# Allegro board FMDEMOD-before-back-annote.brd (continued)
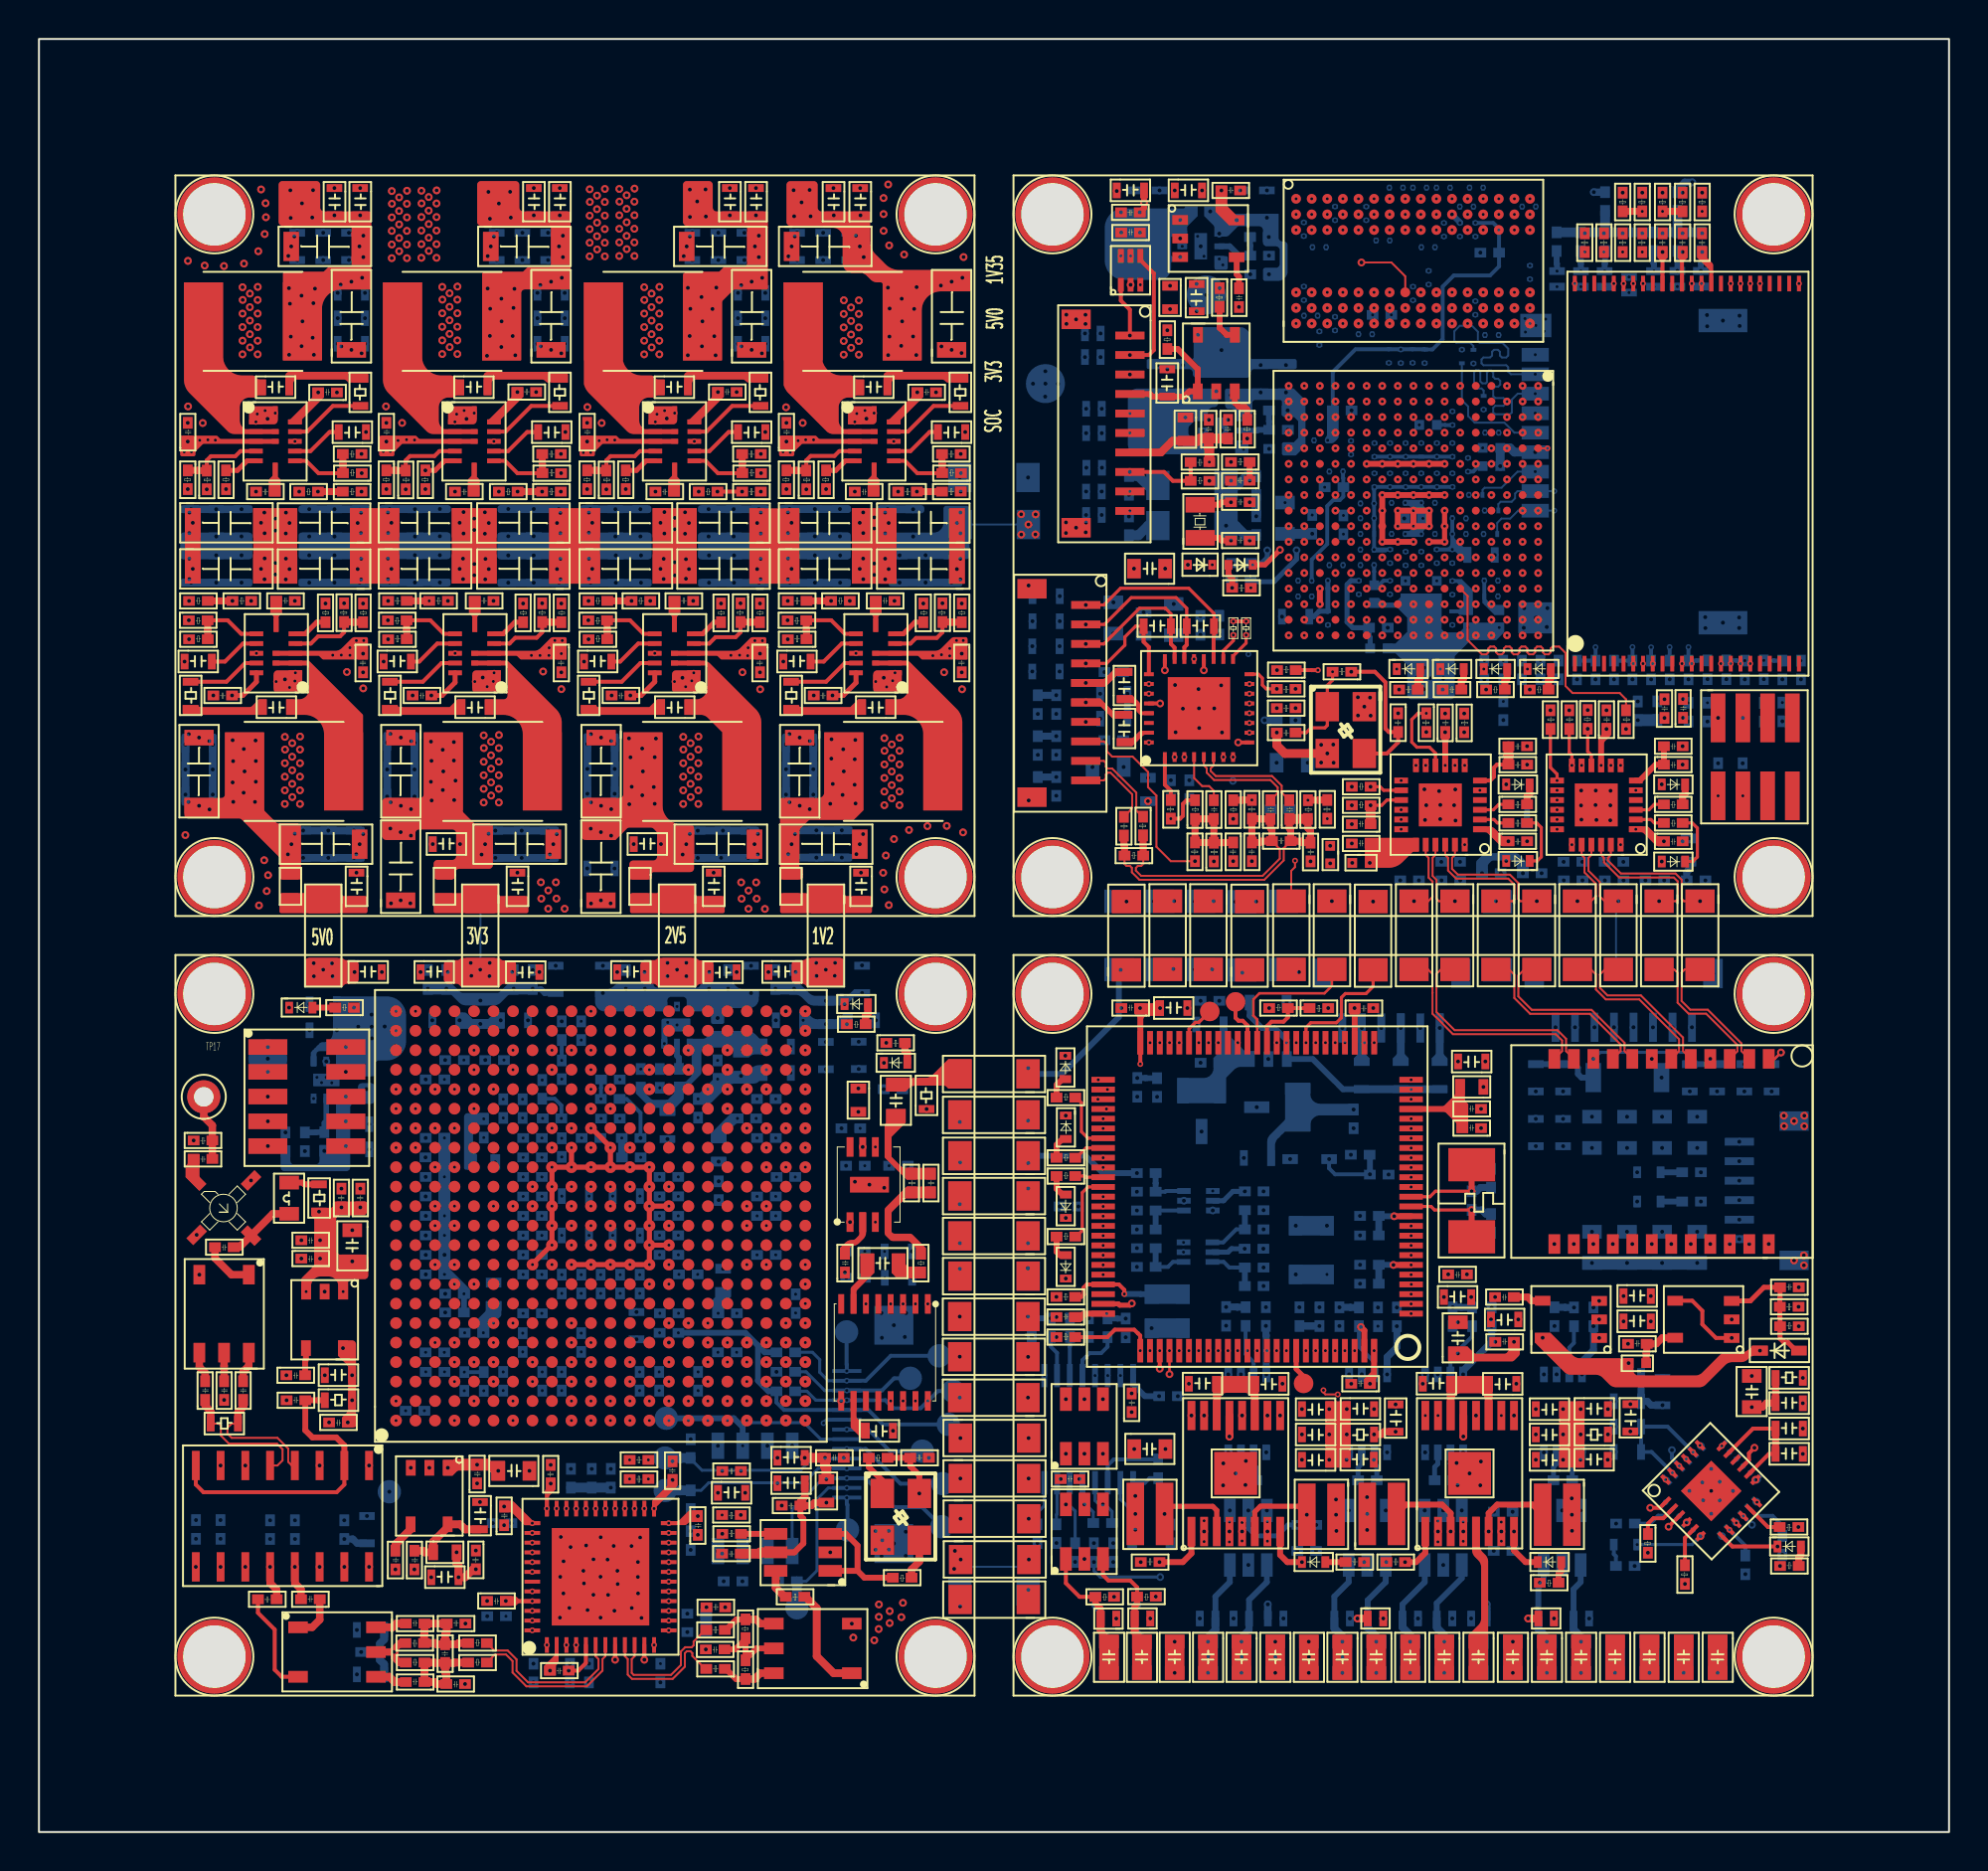
[diagram p0: board, top side]
## Placement (name value [footprint] x y rotation side) (continued)
NOREF#297  -  []  73.58 48.8 90 top
NOREF#298  -  []  58.98 68.29 0 top
NOREF#299  -  []  27.17 23.15 90 top
NOREF#300  -  []  73.8 74.74 0 top
NOREF#301  -  []  25.29 23.15 0 top
NOREF#302  -  []  70.98 7.97 90 top
NOREF#303  -  []  39.14 44.41 90 top
NOREF#304  -  []  75 65.91 90 top
NOREF#305  -  []  35.39 61.61 90 top
NOREF#306  -  []  56.26 50.68 90 top
NOREF#307  -  []  30.5 44.41 90 top
NOREF#308  -  []  17.77 55.48 0 top
NOREF#309  -  []  76.06 13.26 90 top
NOREF#310  -  []  65.78 7.97 90 top
NOREF#311  -  []  10.37 57.93 90 top
NOREF#312  -  []  39.4 64 0 top
NOREF#313  -  []  70.86 9.66 0 top
NOREF#314  -  []  48.4 69.19 90 top
NOREF#315  -  []  76.65 58.68 90 top
NOREF#316  -  []  58.2 17.1 0 top
NOREF#317  -  []  15.22 76.2 90 top
NOREF#318  -  []  7.42 54.41 90 top
NOREF#319  -  []  57.42 42.69 0 top
NOREF#320  -  []  36.63 55.39 90 top
NOREF#321  -  []  37.98 32.22 0 top
NOREF#322  -  []  57.75 32.64 90 top
NOREF#323  -  []  65.21 77.54 90 top
NOREF#324  -  []  69.07 9.66 0 top
NOREF#325  -  []  45.97 61.62 0 top
NOREF#326  -  []  57.67 12.68 0 top
NOREF#327  -  []  40.65 78.96 90 top
NOREF#328  -  []  54.59 14.36 0 top
NOREF#329  -  []  31.99 27.18 90 top
NOREF#330  -  []  89.55 25.16 90 top
NOREF#331  -  []  80.59 18.7 90 top
NOREF#332  -  []  80.3 38.15 0 top
NOREF#333  -  []  37.79 18.31 0 top
NOREF#334  -  []  23.36 39.08 90 top
NOREF#335  -  []  36.5 8.35 0 top
NOREF#336  -  []  80.42 58.68 90 top
NOREF#337  -  []  37.5 68.39 90 top
NOREF#338  -  []  70.12 64.84 90 top
NOREF#339  -  []  56.13 17.92 90 top
NOREF#340  -  []  58.9 7.97 90 top
NOREF#341  -  []  19.44 68.44 90 top
NOREF#342  -  []  76.03 58.23 0 top
NOREF#343  -  []  41.96 49.88 90 top
NOREF#344  -  []  16.74 32.55 0 top
NOREF#345  -  []  62.59 82.73 0 top
NOREF#346  -  []  35.5 25.9 90 top
NOREF#347  -  []  17.04 35.43 0 top
NOREF#348  -  []  20.3 24.08 90 top
NOREF#349  -  []  81.87 82.69 0 top
NOREF#350  -  []  78.72 80.66 0 top
NOREF#351  -  []  23.67 65.6 90 top
NOREF#352  -  []  83.76 79.2 0 top
NOREF#353  -  []  54.12 24.3 0 top
NOREF#354  -  []  57.75 31.68 90 top
NOREF#355  -  []  62.64 64.72 90 top
NOREF#356  -  []  15.91 13.94 0 top
NOREF#357  -  []  53.15 24.3 0 top
NOREF#358  -  []  25.37 69.33 90 top
NOREF#359  -  []  25.17 50.67 0 top
NOREF#360  -  []  13.03 70.91 0 top
NOREF#361  -  []  16.2 66.36 90 top
NOREF#362  -  []  46.87 74.67 0 top
NOREF#363  -  []  89.06 60.56 0 top
NOREF#364  -  []  37.27 10.36 90 top
NOREF#365  -  []  19.37 52.72 90 top
NOREF#366  -  []  9.5 66.37 90 top
NOREF#367  -  []  70.77 72.94 0 top
NOREF#368  -  []  17.49 49.32 90 top
NOREF#369  -  []  89 21.11 0 top
NOREF#370  -  []  74.74 58.68 90 top
NOREF#371  -  []  36.47 13.89 90 top
NOREF#372  -  []  19.27 21.09 90 top
NOREF#373  -  []  67.9 22.1 90 top
NOREF#374  -  []  14.44 51.48 90 top
NOREF#375  -  []  45.8 49.3 0 top
NOREF#376  -  []  62.66 42.67 0 top
NOREF#377  -  []  54.35 56.73 90 top
NOREF#378  -  []  67.7 35.01 0 top
NOREF#379  -  []  57.63 77.94 0 top
NOREF#380  -  []  42.03 74.54 0 top
NOREF#381  -  []  27.73 61.78 0 top
NOREF#382  -  []  85.8 18.7 0 top
NOREF#383  -  []  86 58.69 90 top
NOREF#384  -  []  34.75 14.42 90 top
NOREF#385  -  []  65.71 51.53 90 top
NOREF#386  -  []  12.5 50.12 0 top
NOREF#387  -  []  14.28 64.77 0 top
NOREF#388  -  []  18.88 64.01 0 top
NOREF#389  -  []  24.98 64 0 top
NOREF#390  -  []  68.07 26.46 90 top
NOREF#391  -  []  29.95 26.54 90 top
NOREF#392  -  []  26.26 25.44 90 top
NOREF#393  -  []  55.87 29.75 0 top
NOREF#394  -  []  60.35 33.23 90 top
NOREF#395  -  []  77.78 48.44 90 top
NOREF#396  -  []  51.75 37.29 90 top
NOREF#397  -  []  39.73 11.68 90 top
NOREF#398  -  []  25.65 34.18 0 top
NOREF#399  -  []  37.98 31.22 0 top
NOREF#400  -  []  26.44 55.42 90 top
NOREF#401  -  []  83.94 80.61 0 top
NOREF#402  -  []  27.73 72.76 0 top
NOREF#403  -  []  24.75 42.81 90 top
NOREF#404  -  []  81.04 58.02 0 top
NOREF#405  -  []  13.39 14.95 0 top
NOREF#406  -  []  19.44 68.44 90 top
NOREF#407  -  []  72.61 9.66 0 top
NOREF#408  -  []  73.58 48.8 0 top
NOREF#409  -  []  15.57 82.85 90 top
NOREF#410  -  []  23.67 67.98 90 top
NOREF#411  -  []  15.5 82.16 0 top
NOREF#412  -  []  60.2 52.49 90 top
NOREF#413  -  []  40.04 39.15 0 top
NOREF#414  -  []  31.8 74.54 0 top
NOREF#415  -  []  57.08 82.73 90 top
NOREF#416  -  []  31.17 43.72 90 top
NOREF#417  -  []  38.93 43.72 90 top
NOREF#418  -  []  78.99 19.51 0 top
NOREF#419  -  []  35.63 69.33 90 top
NOREF#420  -  []  73.9 77.24 0 top
NOREF#421  -  []  77.3 80.06 90 top
NOREF#422  -  []  18.62 32.55 90 top
NOREF#423  -  []  51.64 52.71 90 top
NOREF#424  -  []  58.3 13.72 0 top
NOREF#425  -  []  55.38 9.66 0 top
NOREF#426  -  []  87.02 13.73 0 top
NOREF#427  -  []  58.95 64.6 90 top
NOREF#428  -  []  72.36 74.76 90 top
NOREF#429  -  []  62.85 66.09 90 top
NOREF#430  -  []  67.84 83.09 0 top
NOREF#431  -  []  14.25 37.97 0 top
NOREF#432  -  []  38.97 75.96 90 top
NOREF#433  -  []  71.76 57.85 0 top
NOREF#434  -  []  25.87 17.42 90 top
NOREF#435  -  []  16.74 68.55 0 top
NOREF#436  -  []  73.31 65.5 90 top
NOREF#437  -  []  8.57 29.62 0 top
NOREF#438  -  []  80.73 17.66 90 top
NOREF#439  -  []  40 19.1 0 top
NOREF#440  -  []  66.16 77.99 90 top
NOREF#441  -  []  45.08 64.01 90 top
NOREF#442  -  []  10.8 66.37 90 top
NOREF#443  -  []  78.92 80.61 90 top
NOREF#444  -  []  58.86 12.26 0 top
NOREF#445  -  []  51.19 24.3 0 top
NOREF#446  -  []  80.81 56.14 90 top
NOREF#447  -  []  9.02 55.39 90 top
NOREF#448  -  []  73.06 38.01 90 top
NOREF#449  -  []  20.16 69.58 0 top
NOREF#450  -  []  39.21 27.77 90 top
NOREF#451  -  []  40.72 36.5 0 top
NOREF#452  -  []  21.52 74.54 0 top
NOREF#453  -  []  37.95 61.78 0 top
NOREF#454  -  []  8.2 59.07 0 top
NOREF#455  -  []  55.53 7.97 90 top
NOREF#456  -  []  65.91 59.92 0 top
NOREF#457  -  []  66.87 22.61 90 top
NOREF#458  -  []  27.68 18.81 90 top
NOREF#459  -  []  67.07 11.26 0 top
NOREF#460  -  []  56.88 26.97 90 top
NOREF#461  -  []  29.94 63.56 0 top
NOREF#462  -  []  37.36 76.77 0 top
NOREF#463  -  []  32.81 10.81 90 top
NOREF#464  -  []  53.34 26.29 0 top
NOREF#465  -  []  50.86 56.91 0 top
NOREF#466  -  []  88.11 58.4 0 top
NOREF#467  -  []  64.6 20.3 0 top
NOREF#468  -  []  82.3 36.9 90 top
NOREF#469  -  []  84.24 60.56 0 top
NOREF#470  -  []  79.87 50.17 0 top
NOREF#471  -  []  70.22 67.97 0 top
NOREF#472  -  []  37.35 66.37 90 top
NOREF#473  -  []  46.02 71.42 0 top
NOREF#474  -  []  65.5 23.4 90 top
NOREF#475  -  []  17.79 30 0 top
NOREF#476  -  []  82.56 79.19 0 top
NOREF#477  -  []  68.98 68.61 90 top
NOREF#478  -  []  27.73 32.22 90 top
NOREF#479  -  []  6.28 70.18 90 top
NOREF#480  -  []  67.5 7.96 90 top
NOREF#481  -  []  78.52 60.56 0 top
NOREF#482  -  []  90.7 40.9 0 top
NOREF#483  -  []  56.31 68.15 90 top
NOREF#484  -  []  27.74 62.78 90 top
NOREF#485  -  []  73.39 65.91 90 top
NOREF#486  -  []  84.79 54.38 90 top
NOREF#487  -  []  46.6 27.61 90 top
NOREF#488  -  []  71.59 65.11 90 top
NOREF#489  -  []  63.68 62.77 0 top
NOREF#490  -  []  68.17 12.68 0 top
NOREF#491  -  []  45.41 7.51 90 top
NOREF#492  -  []  75.04 78.07 0 top
NOREF#493  -  []  12.18 40.73 90 top
NOREF#494  -  []  38.76 49.88 0 top
NOREF#495  -  []  72.71 39.13 90 top
NOREF#496  -  []  41.58 41.25 90 top
NOREF#497  -  []  75.67 48.8 90 top
NOREF#498  -  []  27.8 57.52 0 top
NOREF#499  -  []  72.73 7.97 90 top
NOREF#500  -  []  84.76 9.97 90 top
NOREF#501  -  []  36.63 54.12 90 top
NOREF#502  -  []  27.36 19.15 90 top
NOREF#503  -  []  50.7 15.33 0 top
NOREF#504  -  []  64.42 63.63 90 top
NOREF#505  -  []  85.67 80.66 90 top
NOREF#506  -  []  59.63 71.04 90 top
NOREF#507  -  []  56.28 61.18 90 top
NOREF#508  -  []  62.33 7.97 90 top
NOREF#509  -  []  29.94 62.78 90 top
NOREF#510  -  []  7.39 64.01 90 top
NOREF#511  -  []  25.87 17.42 0 top
NOREF#512  -  []  24.98 7.22 90 top
NOREF#513  -  []  67.52 70.01 90 top
NOREF#514  -  []  37.98 29.22 0 top
NOREF#515  -  []  27.32 80.56 90 top
NOREF#516  -  []  67.97 24.85 0 top
NOREF#517  -  []  35.75 76.2 90 top
NOREF#518  -  []  18.07 56.97 90 top
NOREF#519  -  []  27.73 32.22 0 top
NOREF#520  -  []  54.51 14.36 90 top
NOREF#521  -  []  24.98 67.98 90 top
NOREF#522  -  []  66.14 71.56 90 top
NOREF#523  -  []  11.82 21.07 90 top
NOREF#524  -  []  71.13 74.76 90 top
NOREF#525  -  []  31.97 34.86 90 top
NOREF#526  -  []  47.54 37 90 top
NOREF#527  -  []  71.3 74.76 0 top
NOREF#528  -  []  47.73 61.61 90 top
NOREF#529  -  []  36.05 67.97 0 top
NOREF#530  -  []  41.77 50.13 0 top
NOREF#531  -  []  41.82 44.55 90 top
NOREF#532  -  []  82.91 82.69 0 top
NOREF#533  -  []  54.35 58.81 0 top
NOREF#534  -  []  82.3 31 90 top
NOREF#535  -  []  57.72 11.26 90 top
NOREF#536  -  []  6.28 70.96 0 top
NOREF#537  -  []  18.89 67.97 0 top
NOREF#538  -  []  19.31 27.88 90 top
NOREF#539  -  []  56.47 14.36 90 top
NOREF#540  -  []  80.87 80.61 90 top
NOREF#541  -  []  24.43 22.58 90 top
NOREF#542  -  []  25.75 49.32 90 top
NOREF#543  -  []  24.69 40.69 0 top
NOREF#544  -  []  79.9 80.61 0 top
NOREF#545  -  []  74 67.12 0 top
NOREF#546  -  []  70.69 69.39 0 top
NOREF#547  -  []  34.39 26.23 90 top
NOREF#548  -  []  74.94 13.18 90 top
NOREF#549  -  []  55.96 7.97 90 top
NOREF#550  -  []  25.76 7.89 0 top
NOREF#551  -  []  60.95 60.98 90 top
NOREF#552  -  []  19.52 25.96 0 top
NOREF#553  -  []  35.27 78.96 90 top
NOREF#554  -  []  20.03 18.69 0 top
NOREF#555  -  []  37.38 25 0 top
NOREF#556  -  []  80.03 79.19 90 top
NOREF#557  -  []  57.12 9.66 0 top
NOREF#558  -  []  25.31 43.74 90 top
NOREF#559  -  []  74.25 27.06 0 top
NOREF#560  -  []  80.87 80.61 0 top
NOREF#561  -  []  73.77 60.56 0 top
NOREF#562  -  []  84.7 13.23 0 top
NOREF#563  -  []  84.94 80.61 90 top
NOREF#564  -  []  33.97 64 90 top
NOREF#565  -  []  52.16 24.3 0 top
NOREF#566  -  []  82.1 38.15 0 top
NOREF#567  -  []  41.98 78.96 90 top
NOREF#568  -  []  34.43 38.74 90 top
NOREF#569  -  []  42.3 29.81 0 top
NOREF#570  -  []  64.89 27.62 90 top
NOREF#571  -  []  70.4 26.6 90 top
NOREF#572  -  []  69.47 38.82 0 top
NOREF#573  -  []  65.78 7.97 90 top
NOREF#574  -  []  98.7 36.9 90 top
NOREF#575  -  []  36.61 73.07 90 top
NOREF#576  -  []  75.64 30.82 90 top
NOREF#577  -  []  74.17 35.93 0 top
NOREF#578  -  []  36.54 67.2 0 top
NOREF#579  -  []  55.87 28.79 0 top
NOREF#580  -  []  71.49 69.39 90 top
NOREF#581  -  []  18.88 64.01 90 top
NOREF#582  -  []  56.26 50.68 0 top
NOREF#583  -  []  58.63 68.94 90 top
NOREF#584  -  []  67.35 25.63 90 top
NOREF#585  -  []  79.63 9.66 0 top
NOREF#586  -  []  17.58 64.01 0 top
NOREF#587  -  []  15.23 77.27 90 top
NOREF#588  -  []  47.11 31.72 90 top
NOREF#589  -  []  16.16 23.04 90 top
NOREF#590  -  []  33.05 12.42 0 top
NOREF#591  -  []  23 53.08 0 top
NOREF#592  -  []  75.7 60.56 0 top
NOREF#593  -  []  79.47 60.56 0 top
NOREF#594  -  []  82.33 58.68 90 top
NOREF#595  -  []  14.49 67.43 0 top
NOREF#596  -  []  72.17 24.36 90 top
NOREF#597  -  []  84.87 15.51 0 top
NOREF#598  -  []  75.04 73.06 0 top
NOREF#599  -  []  17.81 10.78 0 top
NOREF#600  -  []  84.45 80.66 90 top
NOREF#601  -  []  16.05 64.01 90 top
NOREF#602  -  []  25.31 43.74 0 top
NOREF#603  -  []  74.19 16.82 90 top
NOREF#604  -  []  82.91 55.32 0 top
NOREF#605  -  []  39.76 68.43 90 top
NOREF#606  -  []  18.64 34.62 90 top
NOREF#607  -  []  34.21 37.8 90 top
NOREF#608  -  []  90.6 20.3 90 top
NOREF#609  -  []  73.51 55.97 90 top
NOREF#610  -  []  41.17 78.96 0 top
NOREF#611  -  []  64.54 52.19 0 top
NOREF#612  -  []  36.7 66.36 90 top
NOREF#613  -  []  69.38 48.44 90 top
NOREF#614  -  []  53.93 22.01 0 top
NOREF#615  -  []  61.02 38.3 90 top
NOREF#616  -  []  65.71 51.53 90 top
NOREF#617  -  []  70.79 55.98 90 top
NOREF#618  -  []  14.76 64.77 0 top
NOREF#619  -  []  16.24 59.04 0 top
NOREF#620  -  []  13.84 20.98 0 top
NOREF#621  -  []  61.18 79.67 0 top
NOREF#622  -  []  14.88 29.97 90 top
NOREF#623  -  []  44.23 31.72 0 top
NOREF#624  -  []  64.1 13.26 0 top
NOREF#625  -  []  57.08 82.73 0 top
NOREF#626  -  []  78.43 9.66 90 top
NOREF#627  -  []  68.92 41.89 90 top
NOREF#628  -  []  68.28 27.99 90 top
NOREF#629  -  []  51.75 33.27 90 top
NOREF#630  -  []  53.28 63.01 90 top
NOREF#631  -  []  39.31 9.6 90 top
NOREF#632  -  []  17.65 32.55 90 top
NOREF#633  -  []  19.38 37.45 0 top
NOREF#634  -  []  40.22 66.38 90 top
NOREF#635  -  []  17.81 8.5 0 top
NOREF#636  -  []  19.37 55.48 90 top
NOREF#637  -  []  69.89 63.81 90 top
NOREF#638  -  []  6.48 68.57 90 top
NOREF#639  -  []  57.12 12.26 0 top
NOREF#640  -  []  57.22 7.97 90 top
NOREF#641  -  []  20.47 22.32 90 top
NOREF#642  -  []  44.98 63.5 0 top
NOREF#643  -  []  19.96 6.53 0 top
NOREF#644  -  []  77.94 56.14 90 top
NOREF#645  -  []  80.01 24.85 0 top
NOREF#646  -  []  69.85 24.85 90 top
NOREF#647  -  []  10.66 15.55 90 top
NOREF#648  -  []  70.27 12.68 0 top
NOREF#649  -  []  26.85 9.1 0 top
NOREF#650  -  []  13.87 74.25 0 top
NOREF#651  -  []  58.98 66.19 90 top
NOREF#652  -  []  63.22 73.34 90 top
NOREF#653  -  []  62.59 82.73 90 top
NOREF#654  -  []  82.3 23.81 0 top
NOREF#655  -  []  68.09 64.77 90 top
NOREF#656  -  []  63.05 56.02 0 top
NOREF#657  -  []  57.01 52.5 90 top
NOREF#658  -  []  87.13 60.56 0 top
NOREF#659  -  []  17.45 61.59 0 top
NOREF#660  -  []  31.82 57.31 90 top
NOREF#661  -  []  35.97 53.08 0 top
NOREF#662  -  []  51.66 60.13 0 top
NOREF#663  -  []  76.81 55.32 90 top
NOREF#664  -  []  33.5 63.99 0 top
NOREF#665  -  []  84.89 80.66 0 top
NOREF#666  -  []  39.86 31.22 90 top
NOREF#667  -  []  34.6 18.14 0 top
NOREF#668  -  []  25.36 70.32 0 top
NOREF#669  -  []  65.91 59.14 90 top
NOREF#670  -  []  72.98 63.17 90 top
NOREF#671  -  []  36.9 42.05 90 top
NOREF#672  -  []  71.5 48.44 0 top
NOREF#673  -  []  24.94 42.81 0 top
NOREF#674  -  []  86.19 58.69 0 top
NOREF#675  -  []  70.55 15.1 90 top
NOREF#676  -  []  83.94 82.69 90 top
NOREF#677  -  []  63.81 38.34 90 top
NOREF#678  -  []  64.58 36.24 90 top
NOREF#679  -  []  30.86 35.22 90 top
NOREF#680  -  []  65.84 34.99 0 top
NOREF#681  -  []  21.63 12.67 90 top
NOREF#682  -  []  70.27 77.41 0 top
NOREF#683  -  []  57.5 75.63 90 top
NOREF#684  -  []  72.73 57.85 0 top
NOREF#685  -  []  84.24 58.4 0 top
NOREF#686  -  []  60.76 65.5 0 top
NOREF#687  -  []  89.9 14.6 90 top
NOREF#688  -  []  27.83 5.62 90 top
NOREF#689  -  []  46.17 17.8 90 top
NOREF#690  -  []  22.43 37.05 0 top
NOREF#691  -  []  64.28 25.5 0 top
NOREF#692  -  []  20.61 12.38 90 top
NOREF#693  -  []  81.88 78.89 90 top
NOREF#694  -  []  17.98 60.98 90 top
NOREF#695  -  []  17.77 54.11 0 top
NOREF#696  -  []  22.78 29 0 top
NOREF#697  -  []  66.9 53.24 90 top
NOREF#698  -  []  22.32 7.2 90 top
NOREF#699  -  []  53.62 67.28 90 top
NOREF#700  -  []  17.45 60.81 90 top
NOREF#701  -  []  60.1 49.92 90 top
NOREF#702  -  []  67.72 39.51 90 top
NOREF#703  -  []  20.22 9.31 90 top
NOREF#704  -  []  83.9 21.7 90 top
NOREF#705  -  []  26 80.56 90 top
NOREF#706  -  []  42.23 42.85 0 top
NOREF#707  -  []  55.77 82.73 0 top
NOREF#708  -  []  18.07 56.97 0 top
NOREF#709  -  []  38.36 46.29 0 top
NOREF#710  -  []  20.16 64.01 90 top
NOREF#711  -  []  16.08 74.67 0 top
NOREF#712  -  []  87.15 56.52 90 top
NOREF#713  -  []  28.61 57.52 90 top
NOREF#714  -  []  55.06 82.72 0 top
NOREF#715  -  []  66.9 52.1 0 top
NOREF#716  -  []  14.75 64.01 90 top
NOREF#717  -  []  37.47 12.47 90 top
NOREF#718  -  []  82.06 20.45 90 top
NOREF#719  -  []  90.5 21.6 90 top
NOREF#720  -  []  23.05 43.66 0 top
NOREF#721  -  []  32.98 31.22 0 top
NOREF#722  -  []  51.67 61.24 90 top
NOREF#723  -  []  60.33 30.59 90 top
NOREF#724  -  []  55.82 38.23 0 top
NOREF#725  -  []  37.96 68.44 0 top
NOREF#726  -  []  19.7 66.37 90 top
NOREF#727  -  []  61.48 61.81 0 top
NOREF#728  -  []  27.89 65.6 90 top
NOREF#729  -  []  89 19.81 0 top
NOREF#730  -  []  24.65 42.86 90 top
NOREF#731  -  []  63.47 49.88 90 top
NOREF#732  -  []  53.34 24.23 0 top
NOREF#733  -  []  73.76 30.82 0 top
NOREF#734  -  []  83.01 9.97 90 top
NOREF#735  -  []  82.91 51.39 0 top
NOREF#736  -  []  70.98 7.97 90 top
NOREF#737  -  []  56.91 54.22 90 top
NOREF#738  -  []  35.37 9.2 0 top
NOREF#739  -  []  12.23 23.05 0 top
NOREF#740  -  []  71.75 81.08 0 top
NOREF#741  -  []  64.93 58.27 90 top
NOREF#742  -  []  42.47 63.56 0 top
NOREF#743  -  []  70.13 85.63 0 top
NOREF#744  -  []  83.9 19.1 90 top
NOREF#745  -  []  56.96 24.29 90 top
NOREF#746  -  []  9.41 15.55 90 top
NOREF#747  -  []  63.01 30.53 0 top
NOREF#748  -  []  82.64 56.59 90 top
NOREF#749  -  []  81.75 49.39 90 top
NOREF#750  -  []  73.44 82.25 0 top
NOREF#751  -  []  66.87 23.39 0 top
NOREF#752  -  []  67.3 71.18 90 top
NOREF#753  -  []  27.07 79.38 0 top
NOREF#754  -  []  74.19 17.6 0 top
NOREF#755  -  []  16.08 73.07 90 top
NOREF#756  -  []  34.77 44.41 90 top
NOREF#757  -  []  56.42 23.9 0 top
NOREF#758  -  []  32.31 16.6 0 top
NOREF#759  -  []  17.29 7.97 90 top
NOREF#760  -  []  72.75 63.31 90 top
NOREF#761  -  []  36.9 43.65 0 top
NOREF#762  -  []  72.64 82.25 0 top
NOREF#763  -  []  12.11 13.94 0 top
NOREF#764  -  []  50.87 62.84 0 top
NOREF#765  -  []  70.59 84.57 90 top
NOREF#766  -  []  60.21 84.62 0 top
NOREF#767  -  []  43.28 68.39 90 top
NOREF#768  -  []  70.8 28.72 90 top
NOREF#769  -  []  33.93 80.56 90 top
NOREF#770  -  []  73.81 75.75 90 top
NOREF#771  -  []  87.77 16.59 90 top
NOREF#772  -  []  56.5 24.7 0 top
NOREF#773  -  []  34.46 78.96 0 top
NOREF#774  -  []  42.7 27.61 90 top
NOREF#775  -  []  68.28 26.78 0 top
NOREF#776  -  []  84.94 82.69 90 top
NOREF#777  -  []  13.25 32.88 0 top
NOREF#778  -  []  52.56 66.52 0 top
NOREF#779  -  []  38.92 66.38 90 top
NOREF#780  -  []  15.87 64.8 90 top
NOREF#781  -  []  57.21 7.97 90 top
NOREF#782  -  []  69.06 63.89 0 top
NOREF#783  -  []  80.03 58.02 0 top
NOREF#784  -  []  55.66 73.77 90 top
NOREF#785  -  []  74.48 7.97 90 top
NOREF#786  -  []  58.55 81.76 90 top
NOREF#787  -  []  17.45 63.56 0 top
NOREF#788  -  []  38.12 64 90 top
NOREF#789  -  []  78.26 80.66 90 top
NOREF#790  -  []  26.43 66.36 90 top
NOREF#791  -  []  34.6 14.91 90 top
NOREF#792  -  []  39.7 70.24 90 top
NOREF#793  -  []  28.07 26.54 0 top
NOREF#794  -  []  36.6 78.96 90 top
NOREF#795  -  []  86.85 25.35 90 top
NOREF#796  -  []  81.64 56.59 90 top
NOREF#797  -  []  63.3 54.23 0 top
NOREF#798  -  []  27.73 30.2 90 top
NOREF#799  -  []  71.98 63.25 90 top
NOREF#800  -  []  85.7 38.15 0 top
NOREF#801  -  []  53.85 55.27 0 top
NOREF#802  -  []  74.93 51.39 0 top
NOREF#803  -  []  65.08 24.87 90 top
NOREF#804  -  []  67 22.11 0 top
NOREF#805  -  []  21.08 43.72 90 top
NOREF#806  -  []  56.56 66.52 90 top
NOREF#807  -  []  63.06 60.01 0 top
NOREF#808  -  []  26.43 63.99 90 top
NOREF#809  -  []  77.91 58.23 90 top
NOREF#810  -  []  40.78 37.44 90 top
NOREF#811  -  []  78 35.09 90 top
NOREF#812  -  []  43.16 33.8 0 top
NOREF#813  -  []  21.84 6.53 90 top
NOREF#814  -  []  31.39 27.79 0 top
NOREF#815  -  []  14.44 53.08 0 top
NOREF#816  -  []  71.48 7.97 90 top
NOREF#817  -  []  54.19 17.92 0 top
NOREF#818  -  []  79.96 84.6 0 top
NOREF#819  -  []  55.77 82.73 90 top
NOREF#820  -  []  28.68 78.57 90 top
NOREF#821  -  []  14.7 51.48 90 top
NOREF#822  -  []  34.41 9.87 0 top
NOREF#823  -  []  71.49 50.17 0 top
NOREF#824  -  []  59.2 60.97 90 top
NOREF#825  -  []  80.87 82.69 90 top
NOREF#826  -  []  53.57 75.38 90 top
NOREF#827  -  []  13.09 82.17 0 top
NOREF#828  -  []  70.12 65.5 90 top
NOREF#829  -  []  68.52 63.89 90 top
NOREF#830  -  []  70.35 71.45 0 top
NOREF#831  -  []  84.08 48.44 90 top
NOREF#832  -  []  72.57 36.51 0 top
NOREF#833  -  []  64.03 39.66 90 top
NOREF#834  -  []  34.22 50.92 0 top
NOREF#835  -  []  24.38 25.44 0 top
NOREF#836  -  []  36.63 55.39 0 top
NOREF#837  -  []  84.79 55.32 90 top
NOREF#838  -  []  60.67 47.74 90 top
NOREF#839  -  []  17.37 51.48 90 top
NOREF#840  -  []  31.38 24.44 0 top
NOREF#841  -  []  20.38 26.45 0 top
NOREF#842  -  []  26.77 50.67 90 top
NOREF#843  -  []  5.82 52.82 0 top
NOREF#844  -  []  67.36 9.66 0 top
NOREF#845  -  []  34.7 25.9 0 top
NOREF#846  -  []  45.87 68.39 0 top
NOREF#847  -  []  79.96 82.72 90 top
NOREF#848  -  []  28.05 52.8 90 top
NOREF#849  -  []  4.22 54.41 0 top
NOREF#850  -  []  55.23 15.46 0 top
NOREF#851  -  []  17.67 8.84 0 top
NOREF#852  -  []  58.84 61.21 90 top
NOREF#853  -  []  62.54 61.81 90 top
NOREF#854  -  []  26.41 63.5 0 top
NOREF#855  -  []  7.4 67.97 0 top
NOREF#856  -  []  80.45 12.48 0 top
NOREF#857  -  []  59.14 41.48 0 top
NOREF#858  -  []  18.73 12.38 0 top
NOREF#859  -  []  38.77 82.17 0 top
NOREF#860  -  []  74.93 54.38 0 top
NOREF#861  -  []  17.77 34.23 90 top
NOREF#862  -  []  43.63 73.73 90 top
NOREF#863  -  []  67.52 35.67 90 top
NOREF#864  -  []  32.15 63.56 0 top
NOREF#865  -  []  64.55 66.41 90 top
NOREF#866  -  []  84.74 56.71 90 top
NOREF#867  -  []  77.48 80.66 0 top
NOREF#868  -  []  45.97 61.62 90 top
NOREF#869  -  []  37.7 9.42 90 top
NOREF#870  -  []  20.16 64.01 0 top
NOREF#871  -  []  44.6 74.26 0 top
NOREF#872  -  []  65.55 58.69 0 top
NOREF#873  -  []  41.73 82.85 0 top
NOREF#874  -  []  89.9 14.6 90 top
NOREF#875  -  []  12.98 56.52 0 top
NOREF#876  -  []  25.43 35.56 90 top
NOREF#877  -  []  46.02 71.42 90 top
NOREF#878  -  []  22.78 28.22 90 top
NOREF#879  -  []  58.72 30.25 0 top
NOREF#880  -  []  80.23 9.66 90 top
NOREF#881  -  []  54.21 59.12 0 top
NOREF#882  -  []  54.35 58 90 top
NOREF#883  -  []  46.79 70.96 90 top
NOREF#884  -  []  58.89 21.19 90 top
NOREF#885  -  []  33.53 32.11 90 top
NOREF#886  -  []  64.93 56.02 90 top
NOREF#887  -  []  31.73 18.7 90 top
NOREF#888  -  []  46.11 31.72 90 top
NOREF#889  -  []  35.03 49.32 90 top
NOREF#890  -  []  75.86 23.98 0 top
NOREF#891  -  []  32.98 29.23 0 top
NOREF#892  -  []  79.9 22.1 90 top
NOREF#893  -  []  25.04 8.53 90 top
NOREF#894  -  []  81.28 79.89 0 top
NOREF#895  -  []  92.35 26.78 90 top
NOREF#896  -  []  71.49 69.39 0 top
NOREF#897  -  []  60.7 68.94 90 top
NOREF#898  -  []  86.97 58.69 90 top
NOREF#899  -  []  61.08 7.97 90 top
NOREF#900  -  []  58.4 80.21 0 top
NOREF#901  -  []  27.73 30.2 0 top
NOREF#902  -  []  57.67 17.06 0 top
NOREF#903  -  []  80.87 82.69 0 top
NOREF#904  -  []  35.75 44.41 90 top
NOREF#905  -  []  22.43 35.17 90 top
NOREF#906  -  []  55.47 14.36 90 top
NOREF#907  -  []  28.17 23.15 90 top
NOREF#908  -  []  67.78 62.18 0 top
NOREF#909  -  []  57.75 28.79 90 top
NOREF#910  -  []  55.75 61.29 90 top
NOREF#911  -  []  81.95 58.85 0 top
NOREF#912  -  []  55.87 32.64 0 top
NOREF#913  -  []  63.01 32.48 0 top
NOREF#914  -  []  84.1 36.9 90 top
NOREF#915  -  []  66.09 25.5 90 top
NOREF#916  -  []  59.13 15.42 0 top
NOREF#917  -  []  39.83 61.78 90 top
NOREF#918  -  []  84.24 56.52 90 top
NOREF#919  -  []  36.56 49.88 90 top
NOREF#920  -  []  38.17 44.41 90 top
NOREF#921  -  []  54.63 71.47 90 top
NOREF#922  -  []  41.6 11.32 0 top
NOREF#923  -  []  79.8 24.05 0 top
NOREF#924  -  []  11.24 64.02 90 top
NOREF#925  -  []  58.86 11.26 90 top
NOREF#926  -  []  9.98 64.01 90 top
NOREF#927  -  []  33.98 28.22 0 top
NOREF#928  -  []  36.39 82.85 0 top
NOREF#929  -  []  37.38 19.82 0 top
NOREF#930  -  []  6 6 90 top
NOREF#931  -  []  85.9 31 90 top
NOREF#932  -  []  25.46 76.2 90 top
NOREF#933  -  []  58.65 34.93 0 top
NOREF#934  -  []  90.6 19 90 top
NOREF#935  -  []  21.22 15.46 90 top
NOREF#936  -  []  46.87 73.07 90 top
NOREF#937  -  []  106.8 77.3 90 top
NOREF#938  -  []  53.63 68.48 90 top
NOREF#939  -  []  55.24 14.21 0 top
NOREF#940  -  []  80.6 21.61 0 top
NOREF#941  -  []  8.71 21.36 0 top
NOREF#942  -  []  61.69 79.53 90 top
NOREF#943  -  []  17.79 29.22 90 top
NOREF#944  -  []  46.95 59.04 0 top
NOREF#945  -  []  71.8 67.51 90 top
NOREF#946  -  []  50.95 53.1 90 top
NOREF#947  -  []  57.5 75.63 0 top
NOREF#948  -  []  67.5 7.97 90 top
NOREF#949  -  []  75.67 48.8 0 top
NOREF#950  -  []  65.72 66.16 90 top
NOREF#951  -  []  73.23 7.97 90 top
NOREF#952  -  []  83.3 24.75 90 top
NOREF#953  -  []  67.5 7.96 90 top
NOREF#954  -  []  66.25 7.97 90 top
NOREF#955  -  []  39.99 68.44 0 top
NOREF#956  -  []  59.55 12.68 90 top
NOREF#957  -  []  79.88 48.44 0 top
NOREF#958  -  []  51.75 34.05 0 top
NOREF#959  -  []  69.67 9.66 90 top
NOREF#960  -  []  56.2 47.97 90 top
NOREF#961  -  []  13 63.99 0 top
NOREF#962  -  []  85.76 55.3 0 top
NOREF#963  -  []  9.36 34.15 90 top
NOREF#964  -  []  60.38 26.48 0 top
NOREF#965  -  []  62.15 51.21 0 top
NOREF#966  -  []  70.69 69.39 90 top
NOREF#967  -  []  38.65 14.42 90 top
NOREF#968  -  []  57.59 61.21 90 top
NOREF#969  -  []  24.15 50.13 0 top
NOREF#970  -  []  23.26 25.23 90 top
NOREF#971  -  []  72.72 68.41 0 top
NOREF#972  -  []  56.2 47.97 0 top
NOREF#973  -  []  27.89 64.77 0 top
NOREF#974  -  []  58.63 32.29 0 top
NOREF#975  -  []  71.48 7.97 90 top
NOREF#976  -  []  39.98 42.05 0 top
NOREF#977  -  []  88.7 37.9 90 top
NOREF#978  -  []  68 76.23 90 top
NOREF#979  -  []  26.26 31.44 90 top
NOREF#980  -  []  88.5 38.71 0 top
NOREF#981  -  []  20.52 28.01 0 top
NOREF#982  -  []  56.01 24.28 0 top
NOREF#983  -  []  36.54 65.6 90 top
NOREF#984  -  []  31.73 17.72 90 top
NOREF#985  -  []  54.21 55.63 0 top